# Altium PCB MB988.PcbDoc (part 1 of 4) (continued)
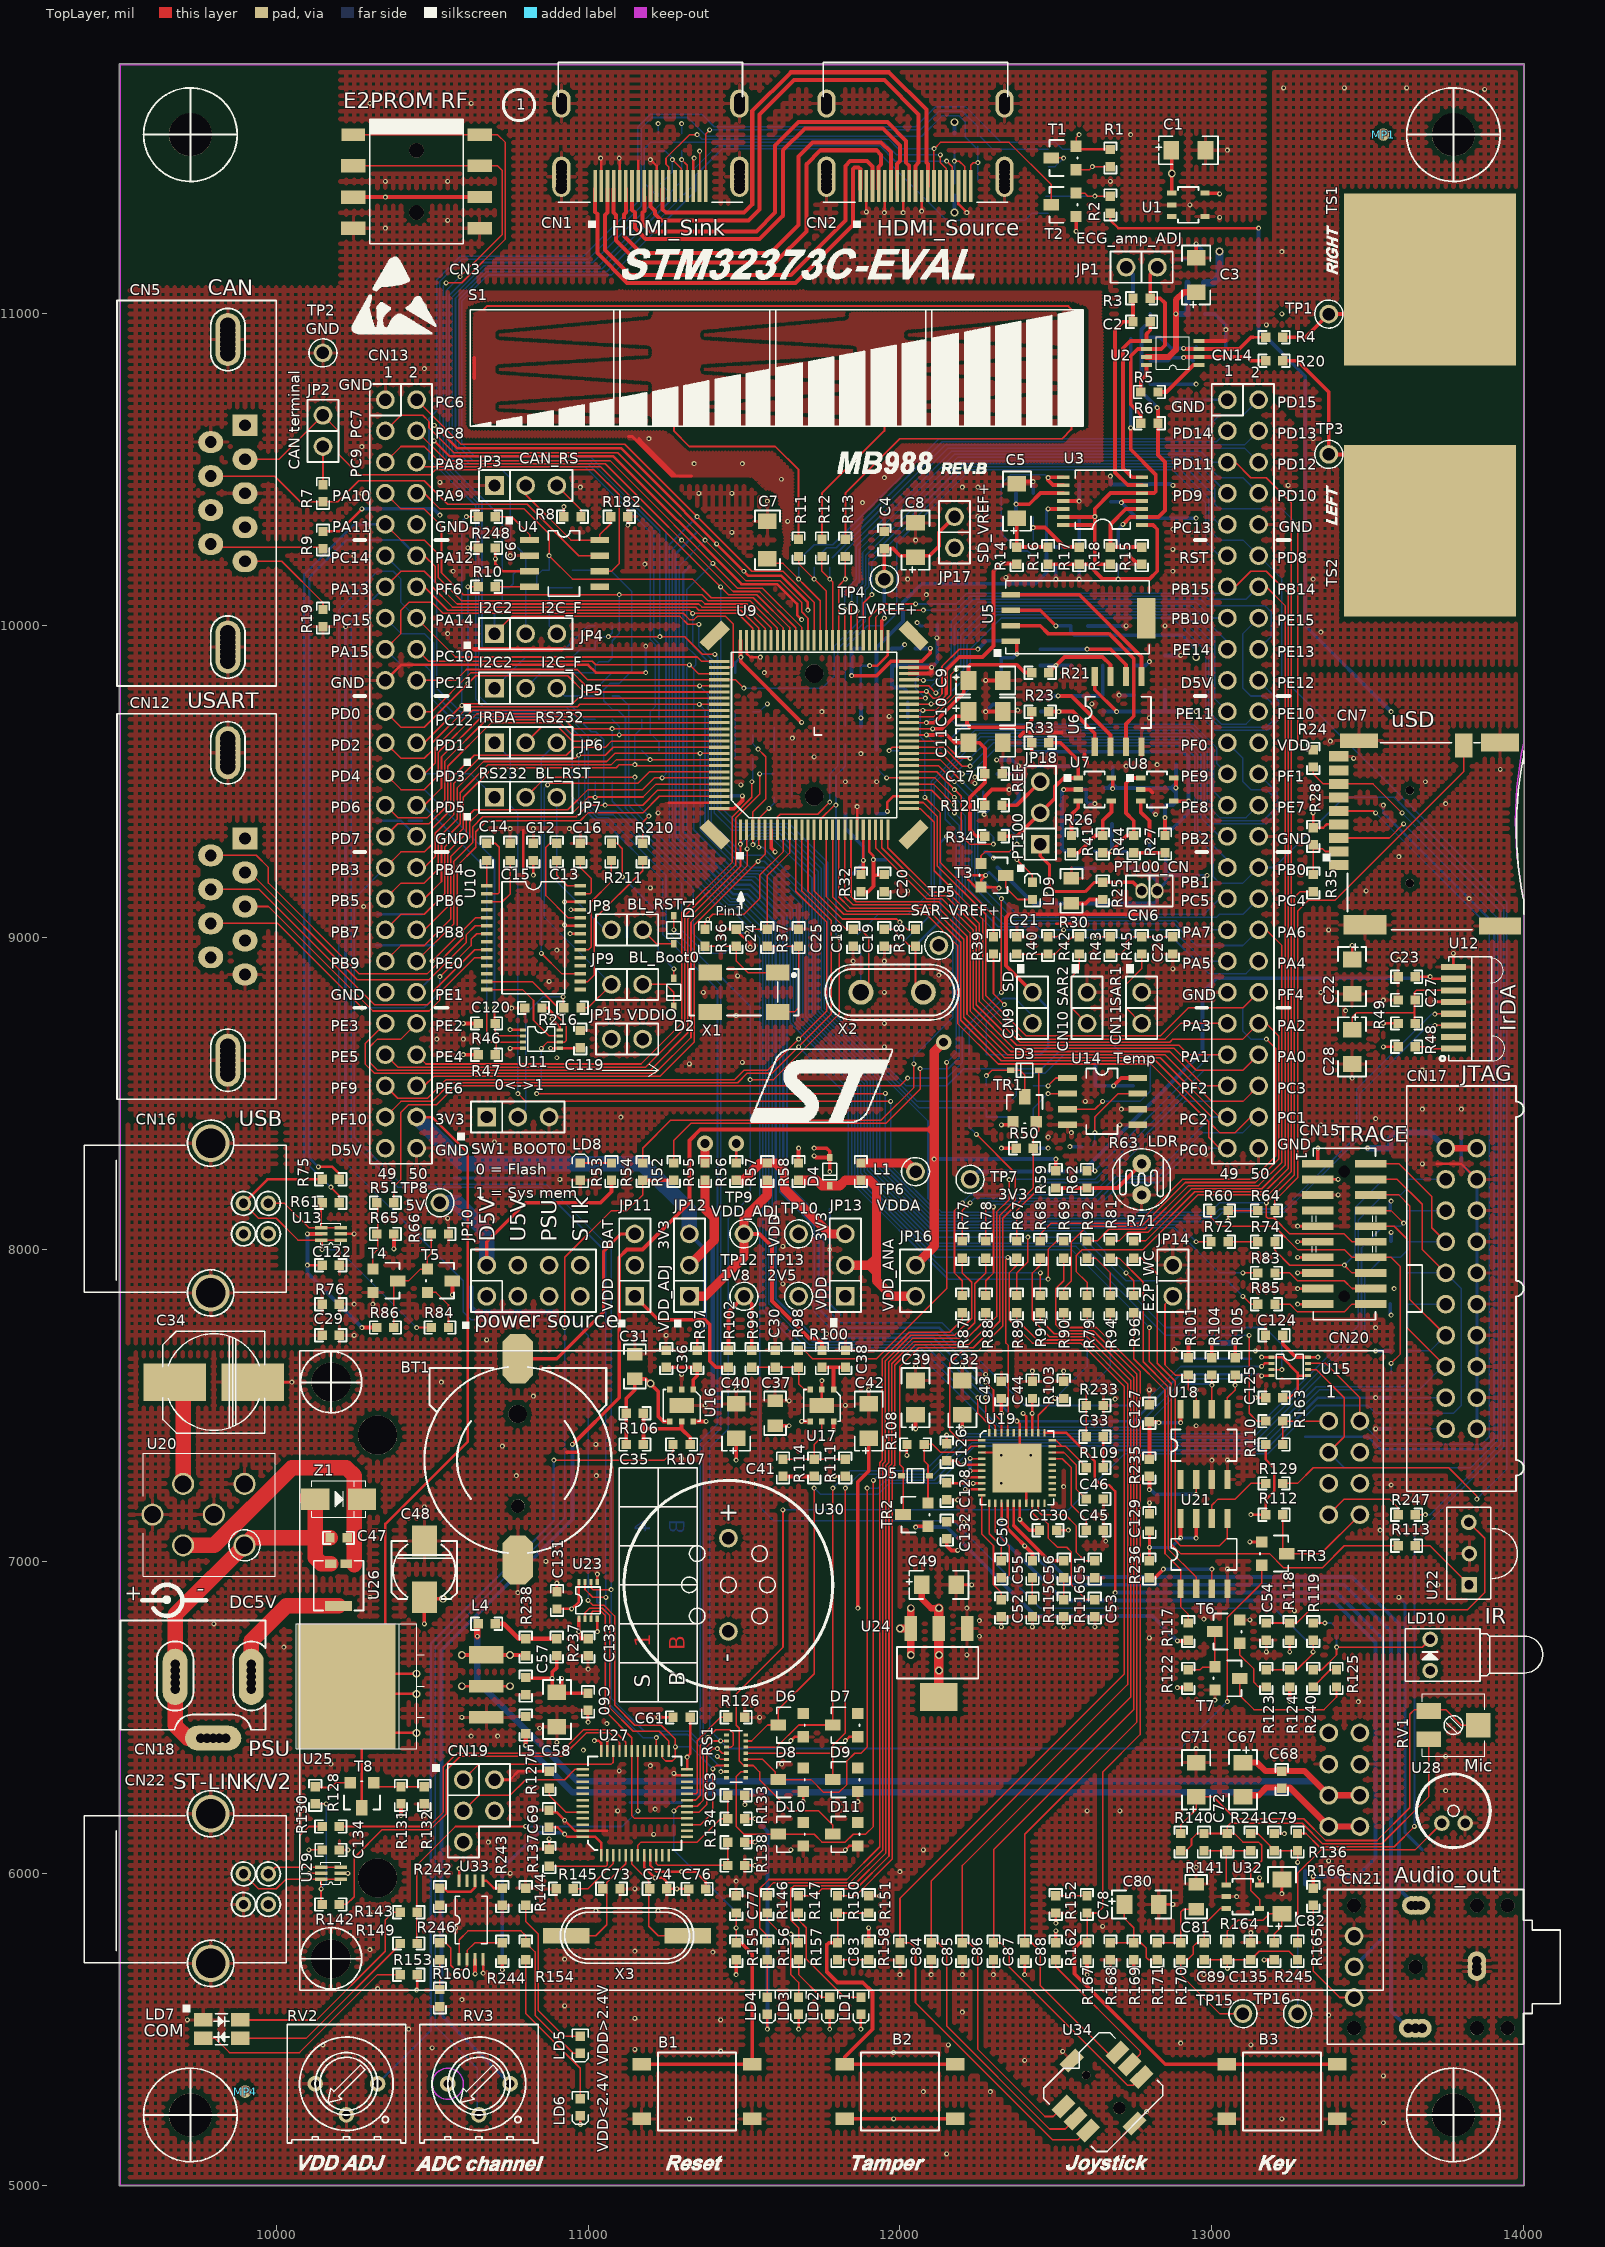
[diagram p0: TopLayer view]
## Components (designator, comment, footprint, x,y, rotation, side; value= is the part's Value field where it differs from the comment) (continued)
R62 "0" 0603R#1 12600,8225 r270 top
R63 "VT9ON1" PVT901 12775,8225 r180 top
R64 "0" 0603R#1 13175,8125 r0 top
R65 "47K" 0603R#1 10350,8050 r180 top
R66 "36K" 0603R#1 10525,8050 r180 top
R67 "0" 0603R#1 12375,8000 r270 top
R68 "0" 0603R#1 12450,8000 r270 top
R69 "0" 0603R#1 12525,8000 r270 top
R70 "[N/A]" 0603R#1 11875,9900 r90 bottom
R71 "0" 0603R#1 12750,8000 r270 top
R72 "0" 0603R#1 13025,8025 r0 top
R73 "0" 0603R#1 11625,9450 r0 bottom
R74 "0" 0603R#1 13175,8025 r0 top
R75 "0" 0603R#1 10175,8225 r0 top
R76 "1M" 0603R#1 10175,7825 r0 top
R77 "0" 0603R#1 12200,8000 r90 top
R78 "0" 0603R#1 12275,8000 r90 top
R79 "0" 0603R#1 12600,7825 r270 top
R80 "0" 0603R#1 11875,9775 r270 bottom
R81 "0" 0603R#1 12675,8000 r270 top
R82 "0" 0603R#1 11625,9600 r0 bottom
R83 "0" 0603R#1 13175,7925 r0 top
R84 "1K5" 0603R#1 10525,7750 r0 top
R85 "0" 0603R#1 13175,7825 r0 top
R86 "10K" 0603R#1 10350,7750 r180 top
R87 "0" 0603R#1 12200,7825 r90 top
R88 "0" 0603R#1 12275,7825 r90 top
R89 "0" 0603R#1 12375,7825 r270 top
R90 "0" 0603R#1 12525,7825 r270 top
R91 "0" 0603R#1 12450,7825 r270 top
R92 "0" 0603R#1 12600,8000 r90 top
R93 "[N/A]" 0603R#1 11500,9575 r180 bottom
R94 "0" 0603R#1 12675,7825 r270 top
R95 "[N/A]" 0603R#1 11625,9525 r0 bottom
R96 "0" 0603R#1 12750,7825 r270 top
R97 "4K7" 0603R#1 11350,7650 r270 top
R98 "[N/A]" 0603R#1 11675,7650 r90 top
R99 "10K" 0603R#1 11525,7650 r270 top
R100 "1K" 0603R#1 11750,7650 r270 top
R101 "10K" 0603R#1 12925,7625 r90 top
R102 "[N/A]" 0603R#1 11450,7650 r270 top
R103 "10K" 0603R#1 12525,7550 r90 top
R104 "1K8" 0603R#1 13000,7625 r270 top
R105 "1K8" 0603R#1 13075,7625 r270 top
R106 "59K[1%]" 0603R#1 11150,7475 r180 top
R107 "31.6K[1%]" 0603R#1 11300,7375 r0 top
R108 "4K7" 0603R#1 12050,7375 r0 top
R109 "100" 0603R#1 12625,7300 r0 top
R110 "10K" 0603R#1 13200,7375 r0 top
R111 "31.6K[1%]" 0603R#1 11825,7300 r90 top
R112 "4K7" 0603R#1 13200,7150 r0 top
R113 "0" 0603R#1 13625,7050 r180 top
R114 "15K[1%]" 0603R#1 11725,7300 r270 top
R115 "51" 0603R#1 12425,6850 r270 top
R116 "51" 0603R#1 12525,6850 r270 top
R117 "10K" 0603R#1 12925,6775 r270 top
R118 "100" 0603R#1 13250,6775 r90 top
R119 "100" 0603R#1 13325,6775 r90 top
R120 "1K" 0603R#1 12475,11500 r90 bottom
R121 "100[0.1%]" 0603R#1 12300,9425 r0 top
R122 "2K2" 0603R#1 12925,6625 r90 top
R123 "1K" 0603R#1 13175,6625 r90 top
R124 "10K" 0603R#1 13250,6625 r270 top
R125 "22" 0603R#1 13400,6625 r270 top
R126 "100K" 0603R#1 11475,6500 r180 top
R127 "100K" 0603R#1 10875,6300 r90 top
R128 "1K5" 0603R#1 10125,6250 r90 top
R129 "0" 0603R#1 13200,7250 r180 top
R130 "0" 0603R#1 10175,6150 r0 top
R131 "10K" 0603R#1 10400,6250 r270 top
R132 "36K" 0603R#1 10475,6250 r90 top
R133 "100K" 0603R#1 11475,6175 r180 top
R134 "4K7" 0603R#1 11475,6100 r0 top
R135 "0" 0603R#1 11050,9700 r0 bottom
R136 "220" 0603R#1 13275,6100 r90 top
R137 "10K" 0603R#1 10875,6050 r90 top
R138 "4K7" 0603R#1 11475,6025 r180 top
R139 "0" 0603R#1 11200,9600 r0 bottom
R140 "680" 0603R#1 12900,6100 r270 top
R141 "82K" 0603R#1 12975,6100 r270 top
R142 "0" 0603R#1 10175,5900 r0 top
R143 "100" 0603R#1 10425,5875 r0 top
R144 "510" 0603R#1 10800,5925 r270 top
R145 "[N/A]" 0603R#1 10925,5950 r180 top
R146 "680" 0603R#1 11575,5900 r90 top
R147 "510" 0603R#1 11675,5900 r90 top
R148 "0" 0603R#1 11200,9700 r0 bottom
R149 "100" 0603R#1 10425,5775 r0 top
R150 "330" 0603R#1 11800,5900 r270 top
R151 "220K" 0603R#1 11900,5900 r270 top
R152 "100" 0603R#1 12500,5900 r270 top
R153 "0" 0603R#1 10425,5675 r180 top
R154 "510" 0603R#1 10800,5750 r270 top
R155 "[N/A]" 0603R#1 11475,5750 r90 top
R156 "680" 0603R#1 11575,5750 r90 top
R157 "680" 0603R#1 11675,5750 r90 top
R158 "100" 0603R#1 11900,5750 r90 top
R159 "0" 0603R#1 12475,11350 r90 bottom
R160 "0" 0603R#3 10525,5600 r270 top
R162 "100" 0603R#1 12500,5750 r90 top
R163 "0" 0603R#1 13200,7450 r0 top
R164 "2K2" 0603R#1 13050,5750 r270 top
R165 "100" 0603R#1 13275,5750 r270 top
R166 "47K" 0603R#1 13325,5925 r90 top
R167 "4K7" 0603R#1 12600,5750 r90 top
R168 "100K" 0603R#1 12675,5750 r90 top
R169 "100K" 0603R#1 12750,5750 r270 top
R170 "18K" 0603R#1 12900,5750 r90 top
R171 "15K" 0603R#1 12825,5750 r270 top
R172 "47K" 0603R#1 11300,11550 r270 bottom
R173 "47K" 0603R#1 11225,11550 r270 bottom
R174 "0" 0603R#1 12175,11550 r90 bottom
R175 "1M" 0603R#1 12250,11400 r270 bottom
R176 "4K7" 0603R#1 12675,11500 r90 bottom
R177 "2M[1%]" 0603R#1 12775,10925 r180 bottom
R178 "2M[1%]" 0603R#1 12775,10850 r180 bottom
R179 "3K3" 0603R#1 12775,11000 r0 bottom
R180 "4K7" 0603R#1 12775,10775 r180 bottom
R181 "15K" 0603R#1 12400,10350 r180 bottom
R182 "10K" 0603R#1 11100,10350 r180 top
R183 "[N/A]" 0603R#1 12400,10200 r180 bottom
R184 "100K" 0603R#1 12775,10225 r90 bottom
R185 "0" 0603R#1 10725,10150 r270 bottom
R186 "[N/A]" 0603R#1 10875,10150 r90 bottom
R187 "0" 0603R#1 11050,9775 r0 bottom
R188 "4K7" 0603R#1 12500,10225 r270 bottom
R189 "[N/A]" 0603R#1 10800,10150 r270 bottom
R190 "0" 0603R#1 11050,10000 r0 bottom
R191 "[N/A]" 0603R#1 11050,9850 r180 bottom
R192 "[N/A]" 0603R#1 11050,9925 r0 bottom
R193 "22K[1%]" 0603R#1 12550,9900 r90 bottom
R194 "1K[1%]" 0603R#1 12650,9900 r90 bottom
R195 "0" 0603R#1 10950,10150 r90 bottom
R196 "0" 0603R#1 12325,9925 r90 bottom
R197 "47" 0603R#1 12325,9775 r270 bottom
R198 "220K[1%]" 0603R#1 12750,9900 r90 bottom
R199 "0" 0603R#1 11050,9600 r0 bottom
R200 "22K[1%]" 0603R#1 12550,9750 r90 bottom
R201 "0" 0603R#1 11925,9575 r270 bottom
R203 "820" 0603R#1 11825,9650 r90 bottom
R204 "1K8[0.1%]" 0603R#1 12825,9350 r180 bottom
R205 "220K[1%]" 0603R#1 12650,9750 r270 bottom
R206 "510" 0603R#1 12300,9275 r180 bottom
R207 "1K8[0.1%]" 0603R#1 12550,9250 r270 bottom
R208 "1K8[0.1%]" 0603R#1 12825,9275 r0 bottom
R209 "1K8[0.1%]" 0603R#1 12625,9250 r90 bottom
R210 "0" 0603R#1 11175,9275 r90 top
R211 "510" 0603R#1 11075,9275 r90 top
R212 "0" 0603R#1 12250,8625 r0 bottom
R213 "1K8" 0603R#1 12600,8625 r180 bottom
R214 "4K7" 0603R#1 12775,8525 r0 bottom
R215 "0" 0603R#1 12775,8625 r0 bottom
R216 "10K" 0603R#1 10950,8775 r0 top
R217 "0" 0603R#1 12250,8525 r180 bottom
R218 "0" 0603R#1 12400,8525 r180 bottom
R219 "10K" 0603R#1 12600,8425 r180 bottom
R220 "0" 0603R#1 12250,8425 r0 bottom
R221 "1K8" 0603R#1 12400,8325 r180 bottom
R222 "0" 0603R#1 12400,8425 r180 bottom
R223 "[N/A]" 0603R#1 13600,8225 r180 bottom
R224 "[N/A]" 0603R#1 13600,8325 r0 bottom
R225 "[N/A]" 0603R#1 13600,8125 r0 bottom
R226 "[N/A]" 0603R#1 13600,7925 r180 bottom
R227 "[N/A]" 0603R#1 13600,8025 r0 bottom
R228 "[N/A]" 0603R#1 13600,7825 r0 bottom
R229 "10K" 0603R#1 13600,7750 r180 bottom
R230 "[N/A]" 0603R#1 13600,7600 r180 bottom
R231 "[N/A]" 0603R#1 13600,7675 r0 bottom
R232 "10K" 0603R#1 13600,7525 r180 bottom
R233 "100K" 0603R#1 12625,7500 r180 top
R234 "10K" 0603R#1 13600,7425 r180 bottom
R235 "0" 0603R#1 12800,7300 r90 top
R236 "0" 0603R#1 12800,6975 r90 top
R237 "0" 0603R#1 10900,6725 r270 top
R238 "[N/A]" 0603R#1 10800,6725 r270 top
R240 "0" 0603R#1 13325,6625 r270 top
R241 "0" 0603R#1 13125,6100 r90 top
R242 "0" 0603R#1 10525,5925 r90 top
R243 "0" 0603R#1 10725,5925 r90 top
R244 "1K[1%]" 0603R#1 10725,5750 r90 top
R245 "1K" 0603R#1 13200,5750 r90 top
R246 "2.67K[1%]" 0603R#1 10525,5750 r270 top
R247 "0" 0603R#1 13625,7150 r180 top
R248 "0" 0603R#3 10675,10350 r0 top
R249 "0" 0603R#3 11050,9500 r0 bottom
RS1 "22" RES8B_0402 11475,6375 r270 top
RV1 "[N/A]" 3314-J 13775,6475 r180 top
RV2 "3386P-503H[5%]" 3296W 10225,5325 r180 top
RV3 "10K" 3296W 10650,5325 r180 top
S1 "Slider 3 pos" SLIDER3-2(50) 10622.5,10640 r0 top
SB1 "" JP2_SMD 11225,11400 r270 bottom
SB2 "" JP2_SMD 11300,11400 r270 bottom
SB3 "" JP2_SMD 12175,11400 r90 bottom
SB4 "" JP2_SMD 12250,11550 r270 bottom
SB5 "" JP2_SMD 12950,11175 r0 bottom
SB6 "" JP2_SMD 13050,10850 r90 bottom
SB7 "" JP2_SMD 12950,10725 r180 bottom
SB8 "" JP2_SMD 11675,10200 r270 bottom
SB9 "" JP2_SMD 11725,10200 r270 bottom
SB10 "" JP2_SMD 11775,10200 r270 bottom
SB11 "" JP2_SMD 11825,10200 r270 bottom
SB12 "" JP2_SMD 12100,10000 r0 bottom
SB13 "" JP2_SMD 12150,9750 r180 bottom
SB14 "" JP2_SMD 12150,9800 r180 bottom
SB15 "" JP2_SMD 12025,9775 r90 bottom
SB16 "" JP2_SMD 12150,9650 r0 bottom
SB17 "" JP2_SMD 12150,9700 r0 bottom
SB18 "" JP2_SMD 12150,9600 r180 bottom
SB19 "" JP2_SMD 12300,9525 r0 bottom
SB20 "" JP2_SMD 12300,9225 r0 bottom
SB21 "" JP2_SMD 12925,9200 r180 bottom
SB22 "" JP2_SMD 12300,9425 r0 bottom
SB23 "" JP2_SMD 11850,9000 r90 bottom
SB24 "" JP2_SMD 12000,9000 r270 bottom
SB25 "" JP2_SMD 11375,9000 r270 bottom
SB26 "" JP2_SMD 11475,9000 r270 bottom
SB27 "" JP2_SMD 12600,8325 r180 bottom
SB28 "" JP2_SMD 13400,6775 r270 bottom
SW1 "09.03290.01" SIP3#1 10675,8425 r0 top
T1 "9012" SOT-23#2 12525,11500 r0 top
T2 "2N7002" SOT-23#1 12525,11350 r0 top
T3 "9013" SOT-23#1 12300,9200 r180 top
T4 "9013" SOT-23#1 10350,7900 r180 top
T5 "9013" SOT-23#1 10525,7900 r180 top
T6 "9013" SOT-23#1 13050,6775 r0 top
T7 "9013" SOT-23#1 13050,6625 r180 top
T8 "9013" SOT-23#1 10275,6250 r90 top
TP1 "RIGHT" TP#1 13375,11000 r180 top
TP2 "Ground" TP#2 10150,10875 r0 top
TP3 "LEFT" TP#1 13375,10550 r180 top
TP4 "SD_VREF" TP#2 11950,10150 r0 top
TP5 "SAR_VREF" TP#2 12125,8975 r0 top
TP6 "VDDA" TP#2 12050,8250 r0 top
TP7 "+3V3" TP#2 12225,8225 r0 top
TP8 "5V" TP#2 10525,8150 r0 top
TP9 "VDD_ADJ" TP#2 11500,8050 r0 top
TP10 "VDD" TP#2 11675,8050 r0 top
TP12 "+1V8" TP#2 11500,7850 r0 top
TP13 "2V5" TP#2 11675,7850 r0 top
TP15 "MIC+" TP#2 13100,5550 r0 top
TP16 "MIC_OUT" TP#2 13275,5550 r90 top
TR1 "FDN327N" SOT-23#1 12400,8450 r270 top
TR2 "FDN327N" SOT-23#1 12050,7150 r0 top
TR3 "BSN20" SOT-23#1 13200,7025 r180 top
TS1 "TS_PAD" TS_PAD#1 13700,11350 r90 top
TS2 "TS_PAD" TS_PAD#2 13700,10100 r90 top
U1 "STMPS2141STR@54" SOT-23-5L 12925,11350 r0 top
U2 "INA333" MSOP8 12875,10875 r90 top
U3 "TSV624AIPT" TSSOP14 12650,10400 r90 top
U4 "SN65HVD230" SO8 10925,10200 r270 top
U5 "MPX2102" MPAK 12575,10025 r180 top
U6 "TVS632AIDT" SO8 12700,9725 r0 top
U7 "TSV631AILT" SOT-23-5L 12625,9475 r0 top
U8 "TSV631AILT" SOT-23-5L 12825,9475 r0 top
U9 "Goldfish_256K_TQFP100" IC149-100-025-B5 11725,9650 r0 top locked
U10 "ST3241EBPR" SSOP28 10825,9000 r0 top
U11 "SN74LVC2T45DCUT" VSSOP8 10850,8675 r0 top
U12 "TFDU6300" IR_VISHAY3 13775,8775 r270 top
U13 "USBLC6-2P6 (optional)" SOT-666 10175,8050 r90 top
U14 "STLM75M2E" SO8 12650,8475 r270 top
U15 "SN74LVC2T45DCUT" VSSOP8 13250,7625 r0 top
U16 "ST1L05BPUR" DFN6(3X3) 11300,7500 r180 top
U17 "ST1L05BPUR" DFN6(3X3) 11750,7500 r180 top
U18 "M24M01-HRMN6T" SO8 12975,7375 r0 top
U19 "CS43L22" QFN40(6*6) 12375,7300 r0 top
U20 "BNX002-01" BNX001 9800,7150 r180 top
U21 "M95M01-RMN6TP" SO8 12975,7025 r0 top
U22 "TSOP34836" TSOP348 13825,6925 r90 top
U23 "SN74LVC2T45DCUT" VSSOP8 11000,6875 r90 top
U24 "LD1117S25TR" SOT-223 12125,6675 r90 top
U25 "LD1086D2M33" D2PAK/A 10225,6600 r180 top
U26 "ZEN056V130A24LS" polyzen 10200,6925 r270 top
U27 "STM32F103C8T6" LQFP48 11150,6225 r0 top
U28 "KECG2740TBL" KEC2740 13775,6200 r90 top
U29 "USBLC6-2P6 (optional)" SOT-666 10175,6000 r90 top
U30 "KSS-1508 or KSSG1708" KS1708 11450,6925 r270 top
U32 "TS461CLT" SOT-23-5L 13100,5925 r0 top
U33 "TS3702IPT" TSSOP8(6.4) 10625,5850 r0 top
U34 "MT008-A" JOY 12650,5300 r315 top
X1 "MC306-G-06Q-32.768 (manufacturer KDS)" SM8 11500,8825 r180 top
X2 "ESA8.00000F20D25F(with socket)" XTAL_socket 11975,8825 r0 top
X3 "8MHz" SMT_XTAL 11125,5800 r180 top
Z1 "SMAJ5.0A-TR" 1R1C 10200,7200 r180 top

## Footprints (in the part's own frame and the unit in brackets; to place one, negate y for a bottom-side part, rotate by r counter-clockwise, add the part's x,y. Pads: shape width x height; smd on the part's side, far side on the other; paste and mask are expansions set on the pad)
1R1C [mm]
  rect 2.3x1.75 smd mask+0.102: 1(1.9,0) 2(-1.9,0)
  silkscreen extent -2.2,-1.5 2.2,1.5
2*3P [mil]
  round 60 hole 40 mask+4: 1(0,0) 2(100,0) 3(0,-100) 4(100,-100) 5(0,-200)
  silkscreen extent -50,-250 150,50
2*4P [mil]
  round 60 hole 40 mask+4: 1(0,0) 2(100,0) 3(0,-100) 4(100,-100) 5(0,-200) 6(100,-200) 7(0,-300) 8(100,-300)
  silkscreen extent -50,-350 150,50
2*25P [mil]
  round 60 hole 40 mask+4: 1(0,0) 2(100,0) 3(0,-100) 4(100,-100) 5(0,-200) 6(100,-200) 7(0,-300) 8(100,-300) 9(0,-400) 10(100,-400) 11(0,-500) 12(100,-500) 13(0,-600) 14(100,-600) 15(0,-700) 16(100,-700) 17(0,-800) 18(100,-800) 19(0,-900) 20(100,-900) 21(0,-1000) 22(100,-1000) 23(0,-1100) 24(100,-1100) 25(0,-1200) 26(100,-1200) 27(0,-1300) 28(100,-1300) 29(0,-1400) 30(100,-1400) 31(0,-1500) 32(100,-1500) 33(0,-1600) 34(100,-1600) 35(0,-1700) 36(100,-1700) 37(0,-1800) 38(100,-1800) 39(0,-1900) 40(100,-1900) 41(0,-2000) 42(100,-2000) 43(0,-2100) 44(100,-2100) 45(0,-2200) 46(100,-2200) 47(0,-2300) 48(100,-2300) 49(0,-2400) 50(100,-2400)
  silkscreen extent -50,-2450 150,50
0603C#1 [mil]
  rect 30x30 smd mask+4: 1(27.56,0.28) 2(-27.44,0.28)
  silkscreen extent -50,-20 50,20
0603C#2 [mil]
  rect 30x30 smd mask+4: 1(27.5,0) 2(-27.5,0)
  silkscreen extent -50,-20 50,20
0603C#3 [mil]
  rect 30x30 smd: 1(27.5,0) 2(-27.5,0)
  silkscreen extent -50,-20 50,20
0603D [mil]
  rect 30x30 smd mask+4: 1(27.5,0) 2(-27.5,0)
  silkscreen extent -50,-25 55,25
0603L [mil]
  rect 30x30 smd mask+4: 1(27.5,0) 2(-27.5,0)
  silkscreen extent -50,-20 50,20
0603R#1 [mil]
  rect 30x30 smd mask+4: 1(27.5,0) 2(-27.5,0)
  silkscreen extent -50,-20 50,20
0603R#2 [mil]
  rect 30x30 smd mask+4: 1(27.56,0.28) 2(-27.44,0.28)
  silkscreen extent -50,-20 50,20
0603R#3 [mil]
  rect 30x30 smd: 1(27.5,0) 2(-27.5,0)
  silkscreen extent -50,-20 50,20
0805C#1 [mil]
  rect 40x50 smd mask+4: 1(40,0) 2(-40,0)
  silkscreen extent -70,-35 70,35
0805C#2 [mil]
  rect 40x50 smd: 1(40,0) 2(-40,0)
  silkscreen extent -70,-35 70,35
0805R [mil]
  rect 40x50 smd mask+4: 1(40,0) 2(-40,0)
  silkscreen extent -70,-35 70,35
1206C [mil]
  rect 50x60 smd mask+4: 1(60,0) 2(-60,0)
  silkscreen extent -95,-40 95,40
3296W [mil]
  round 50 hole 28 mask+4: 1(-100,0) 2(0,100) 3(100,0)
  silkscreen extent -190,-190 190,190
3314-J [mm]
  rect 2x1.3 smd mask+0.102: 1(2,1.15) 3(2,-1.15)
  rect 2x2 smd mask+0.102: 2(-2,0)
  silkscreen extent -2.54,-2.54 2.54,2.54
0471510051 [mm]
  round 0.9 hole 0.9 mask+0.102: 0(-7.25,-1.674) 0(-7.25,-1.446) 0(-7.25,-1.141) 0(-7.25,-0.379) 0(-7.25,-0.1) 0(-7.25,0.205) 0(-7.25,-7.137) 0(-7.25,-6.909) 0(-7.25,-6.502) 0(-7.25,-6.299) 0(7.25,-7.137) 0(7.25,-6.909) 0(7.25,-6.502) 0(7.25,-6.299) 0(7.25,-1.676) 0(7.25,-1.448) 0(7.25,-1.143) 0(7.25,-0.381) 0(7.25,-0.102) 0(7.264,0.203)
  oval 1.5x2.3 hole 0.9 mask+0.102: 0(-7.25,-6.72) 0(7.25,-6.72)
  oval 1.5x3.3 hole 0.9 mask+0.102: 0(-7.25,-0.76) 0(7.25,-0.762)
  rect 0.3x2.6 smd mask+0.102: 1(4.5,0) 2(4,0) 3(3.5,0) 4(3,0) 5(2.5,0) 6(2,0) 7(1.5,0) 8(1,0) 9(0.5,0) 10(0,0) 11(-0.5,0) 12(-1,0) 13(-1.5,0) 14(-2,0) 15(-2.5,0) 16(-3,0) 17(-3.5,0) 18(-4,0) 19(-4.5,0)
  silkscreen extent -7.5,-10.1 7.5,1.3
BNX001 [mm]
  round 1.8 hole 1.4 mask+0.102: 1(2.5,2.5) 2(-2.5,2.5) 3(2.5,-2.5) 4(0,0) 5(5,0) 6(-2.5,-2.5)
  silkscreen extent -5,-5 5.76,5
C200M [mil]
  rect 100x80 smd mask-19.68: 1(90,0) 2(-90,0)
  silkscreen extent -90,-105 95,105
C310M [mil]
  rect 200x120 smd mask-23.62: 1(125,0) 2(-125,0)
  silkscreen extent -163,-163 163,163
D0.1L [mil]
  round 50 hole 30 mask+4: 1(-50,0) 2(50,0)
  silkscreen extent -84,-361 84,79
D2PAK/A [mm]
  rect 2.8x1 smd mask+0.102: 1(-11.4,2.54) 2(-11.4,0)
  rect 8x10.2 smd mask+0.102: 2(0,0)
  rect 2.8x1.42 smd mask+0.102: 3(-11.4,-2.54)
  silkscreen extent -6.35,-5.08 4.06,5.08
DB9/M [mil]
  round 50 hole 50 mask+4: 0(-538,55) 0(-523,55) 0(-508,55) 0(-493,55) 0(-478,55) 0(-463,55) 0(-448,55) 0(448,55) 0(463,55) 0(478,55) 0(493,55) 0(508,55) 0(523,55) 0(538,55)
  oval 170x80 hole 50 mask+4: 0(-493,55) 0(493,55)
  rect 70x80 hole 38 mask+4: 1(218,0)
  oval 70x80 hole 38 mask+4: 2(109,0) 3(0,0) 4(-109,0) 5(-218,0) 6(164,110) 7(55,110) 8(-54,110) 9(-163,110)
  silkscreen extent -618,-100 618,410
DC10B [mil]
  round 45 hole 30 mask+4: 1(244.09,-40) 1(244.09,-20) 1(244.09,20) 1(244.09,40) 2(82.05,-196.85) 2(102.05,-196.85) 2(142.05,-196.85) 2(162.05,-196.85) 3(0,-40) 3(0,-20) 3(0,20) 3(0,40)
  oval 80x180 hole 30 mask+4: 1(244.09,0) 3(0,0)
  oval 180x80 hole 30 mask+4: 2(122.05,-196.85)
  silkscreen extent -175,-170 290,180
DFN6(3X3) [mm]
  rect 2x1.2 smd mask+0.102: 0(0,0)
  rect 0.45x0.5 smd mask+0.102: 1(-0.95,-1.3) 2(0,-1.3) 3(0.95,-1.3) 4(0.95,1.3) 5(0,1.3) 6(-0.95,1.3)
  silkscreen extent -1.5,-1.3 1.5,1.3
FTSH-110-01-L-DV [mil]
  round 25 hole 38 unplated mask+4: 0(-200,0) 0(200,0)
  rect 25x100 smd mask+4: 1(-225,-85) 2(-225,85) 3(-175,-85) 4(-175,85) 5(-125,-85) 6(-125,85) 7(-75,-85) 8(-75,85) 9(-25,-85) 10(-25,85) 11(25,-85) 12(25,85) 13(75,-85) 14(75,85) 15(125,-85) 16(125,85) 17(175,-85) 18(175,85) 19(225,-85) 20(225,85)
  silkscreen extent -275,-102 275,102
IC149-100-025-B5 [mm]
  rect 1x2.5 smd rot 45 mask+0.102: 0(-8.1,-8.1) 0(8.1,8.1)
  rect 1x2.5 smd rot 135 mask+0.102: 0(-8.1,8.1) 0(8.1,-8.1)
  round 1.5 hole 1.5 unplated mask+0.102: 0(0,-5) 0(0,5)
  rect 0.25x1.65 smd mask+0.102: 1(-6,-7.725) 2(-5.5,-7.725) 3(-5,-7.725) 4(-4.5,-7.725) 5(-4,-7.725) 6(-3.5,-7.725) 7(-3,-7.725) 8(-2.5,-7.725) 9(-2,-7.725) 10(-1.5,-7.725) 11(-1,-7.725) 12(-0.5,-7.725) 13(0,-7.725) 14(0.5,-7.725) 15(1,-7.725) 16(1.5,-7.725) 17(2,-7.725) 18(2.5,-7.725) 19(3,-7.725) 20(3.5,-7.725) 21(4,-7.725) 22(4.5,-7.725) 23(5,-7.725) 24(5.5,-7.725) 25(6,-7.725) 51(6,7.725) 52(5.5,7.725) 53(5,7.725) 54(4.5,7.725) 55(4,7.725) 56(3.5,7.725) 57(3,7.725) 58(2.5,7.725) 59(2,7.725) 60(1.5,7.725) 61(1,7.725) 62(0.5,7.725) 63(0,7.725) 64(-0.5,7.725) 65(-1,7.725) 66(-1.5,7.725) 67(-2,7.725) 68(-2.5,7.725) 69(-3,7.725) 70(-3.5,7.725) 71(-4,7.725) 72(-4.5,7.725) 73(-5,7.725) 74(-5.5,7.725) 75(-6,7.725)
  rect 1.65x0.25 smd mask+0.102: 26(7.725,-6) 27(7.725,-5.5) 28(7.725,-5) 29(7.725,-4.5) 30(7.725,-4) 31(7.725,-3.5) 32(7.725,-3) 33(7.725,-2.5) 34(7.725,-2) 35(7.725,-1.5) 36(7.725,-1) 37(7.725,-0.5) 38(7.725,0) 39(7.725,0.5) 40(7.725,1) 41(7.725,1.5) 42(7.725,2) 43(7.725,2.5) 44(7.725,3) 45(7.725,3.5) 46(7.725,4) 47(7.725,4.5) 48(7.725,5) 49(7.725,5.5) 50(7.725,6) 76(-7.725,6) 77(-7.725,5.5) 78(-7.725,5) 79(-7.725,4.5) 80(-7.725,4) 81(-7.725,3.5) 82(-7.725,3) 83(-7.725,2.5) 84(-7.725,2) 85(-7.725,1.5) 86(-7.725,1) 87(-7.725,0.5) 88(-7.725,0) 89(-7.725,-0.5) 90(-7.725,-1) 91(-7.725,-1.5) 92(-7.725,-2) 93(-7.725,-2.5) 94(-7.725,-3) 95(-7.725,-3.5) 96(-7.725,-4) 97(-7.725,-4.5) 98(-7.725,-5) 99(-7.725,-5.5) 100(-7.725,-6)
  silkscreen extent -6.73,0 6.73,6.73
IDC20S [mil]
  round 60 hole 40 mask+4: 1(0,0) 2(100,0) 3(0,-100) 4(100,-100) 5(0,-200) 6(100,-200) 7(0,-300) 8(100,-300) 9(0,-400) 10(100,-400) 11(0,-500) 12(100,-500) 13(0,-600) 14(100,-600) 15(0,-700) 16(100,-700) 17(0,-800) 18(100,-800) 19(0,-900) 20(100,-900)
  silkscreen extent -125,-1100 250,200
IR_VISHAY3 [mm]
  rect 0.5x2 smd mask+0.102: 1(3.325,0) 2(2.375,0) 3(1.425,0) 4(0.475,0) 5(-0.475,0) 6(-1.425,0) 7(-2.375,0) 8(-3.325,0)
  silkscreen extent -4.18,-1.1 4.33,4.17
JOY [mil]
  rect 40x70 smd mask+4: 0(-140,0) 0(145,0) 1(-55.12,-122.05) 2(0,-122.05) 3(55.12,-122.05) 4(55.12,122.05) 5(0,122.05) 6(-55.12,122.05)
  round 27.56 hole 27.56 unplated mask+4: H(-74.8,0)
  round 39.37 hole 39.37 unplated mask+4: H(74.8,0)
  silkscreen extent -141,-150 146,150
JP2_SMD [mil]
  oct 15x30 smd rot 45 mask+4: 1(-18,-8) 2(18,7)
  oct 15.75x30 smd rot 135 mask+4: 1(-18,8)
  rect 26x26 smd rot 45 mask+4: 2(13,0)
  oct 15x30 smd rot 135 mask+4: 2(18,-7)
KEC2740 [mm]
  round 1.27 hole 0.762 mask+0.102: 1(-1,-0.95) 2(-1,0.95)
  silkscreen extent -3,-3 3,3
KS1708 [mil]
  round 60 hole 40 mask+4: 1(-149.61,0) 2(149.61,0)
  silkscreen extent -335,-334 335,335
LED2-28*32 [mm]
  rect 1.1x1.5 smd mask+0.102: 1(-0.75,-1.5) 2(-0.75,1.5) 3(0.75,1.5) 4(0.75,-1.5)
  silkscreen extent -1.27,-0.64 1.27,0.64
LI1220_1 [mm]
  round 1.1 hole 1.1 unplated mask+0.102: 0(-3.75,0)
  round 1.5 hole 1.5 unplated mask+0.102: 0(3.75,0.025)
  oct 4x2.5 smd mask+0.102: 1(8.255,0) 2(-8.128,0)
  silkscreen extent -7.57,-7.62 7.57,7.62
LQFP48 [mm]
  rect 0.2x1 smd mask+0.102: 1(-2.75,-4.25) 2(-2.25,-4.25) 3(-1.75,-4.25) 4(-1.25,-4.25) 5(-0.75,-4.25) 6(-0.25,-4.25) 7(0.25,-4.25) 8(0.75,-4.25) 9(1.25,-4.25) 10(1.75,-4.25) 11(2.25,-4.25) 12(2.75,-4.25) 25(2.75,4.25) 26(2.25,4.25) 27(1.75,4.25) 28(1.25,4.25) 29(0.75,4.25) 30(0.25,4.25) 31(-0.25,4.25) 32(-0.75,4.25) 33(-1.25,4.25) 34(-1.75,4.25) 35(-2.25,4.25) 36(-2.75,4.25)
  rect 1x0.2 smd mask+0.102: 13(4.25,-2.75) 14(4.25,-2.25) 15(4.25,-1.75) 16(4.25,-1.25) 17(4.25,-0.75) 18(4.25,-0.25) 19(4.25,0.25) 20(4.25,0.75) 21(4.25,1.25) 22(4.25,1.75) 23(4.25,2.25) 24(4.25,2.75) 37(-4.25,2.75) 38(-4.25,2.25) 39(-4.25,1.75) 40(-4.25,1.25) 41(-4.25,0.75) 42(-4.25,0.25) 43(-4.25,-0.25) 44(-4.25,-0.75) 45(-4.25,-1.25) 46(-4.25,-1.75) 47(-4.25,-2.25) 48(-4.25,-2.75)
  silkscreen extent -3.81,-3.81 3.81,3.81
markpoint_1.0#1 [mil]
  round 40 smd mask+4: 0(0.06,0.28)
markpoint_1.0#2 [mil]
  round 40 smd: 0(0,0)
MB989 [mil]
  round 125.98 hole 125.98 mask+4: 0(-3200,-1725) 0(-3050,-1465)
  round 125.98 hole 125.98 unplated mask+4: 0(-3198.94,125) 0(-3050,-45)
  round 60 hole 40 mask+4: 1(0,0) 2(100,0) 3(0,-100) 4(100,-100) 5(0,-200) 6(100,-200) 7(0,-300) 8(100,-300) 9(0,-1000) 10(100,-1000) 11(0,-1100) 12(100,-1100) 13(0,-1200) 14(100,-1200) 15(0,-1300) 16(100,-1300)
  silkscreen extent -3300,-1825 175,225
MPAK [mil]
  rect 60x18 smd mask+4: 1(220,75) 2(220,25) 3(220,-25) 4(220,-75)
  rect 60x130 smd mask+4: 5(-215,0)
  silkscreen extent -225,-120 235,115
MSD(PJS008) [mm]
  rect 1.4x3.429 smd mask+0.102: 0(-3.503,-7.357)
  rect 1.6x3.5 smd mask+0.102: 0(-3.4,3.65)
  rect 1.5x3.1 smd mask+0.102: 0(11.45,-7.35)
  rect 1.2x3.1 smd mask+0.102: 0(11.6,4.15)
  rect 0.8x1.6 smd mask+0.102: 1(1.475,5.8) 2(2.575,5.8) 3(3.675,5.8) 4(4.775,5.8) 5(5.875,5.8) 6(6.975,5.8) 7(8.075,5.8) 8(9.175,5.8)
  rect 0.85x1.6 smd mask+0.102: 9(10.325,5.8)
  rect 1.95x1.4 smd mask+0.102: 10(11.225,-4.4)
  round 0.7 hole 0.7 unplated mask+0.102: H(0,0) H(7.55,0)
  silkscreen extent -3.81,-9.28 11.43,5.07
MSOP8 [mm]
  rect 0.3x0.9 smd mask+0.102: 1(-0.975,-2.151) 2(-0.325,-2.151) 3(0.325,-2.151) 4(0.975,-2.151) 5(0.975,2.151) 6(0.325,2.151) 7(-0.325,2.151) 8(-0.975,2.151)
  silkscreen extent -1.32,-1.36 1.32,1.36
PB10 [mm]
  rect 1.5x1 smd paste+0.381 mask+0: 1(-4.5,-2.222) 2(-4.5,2.222) 3(4.5,2.222) 4(4.5,-2.222)
  silkscreen extent -3.17,-3.17 3.17,3.17
polyzen [mm]
  rect 0.8x2.21 smd mask+0.102: 1(1.714,0)
  rect 0.7x0.94 smd mask+0.102: 2(-1.714,-0.635) 3(-1.714,0.635)
  silkscreen extent -1.97,-2.03 2.1,2.03
PVT901 [mil]
  round 60 hole 30 mask+4: 1(0,50) 2(0,-50)
  silkscreen extent -92,-98 92,98
QFN40(6*6) [mm]
  rect 4x4 smd mask+0.102: 0(0,0)
  rect 0.6x0.2 smd mask+0.102: 1(-2.87,2.25) 2(-2.87,1.75) 3(-2.87,1.25) 4(-2.87,0.75) 5(-2.87,0.25) 6(-2.87,-0.25) 7(-2.87,-0.75) 8(-2.87,-1.25) 9(-2.87,-1.75) 10(-2.87,-2.25) 21(2.87,-2.25) 22(2.87,-1.75) 23(2.87,-1.25) 24(2.87,-0.75) 25(2.87,-0.25) 26(2.87,0.25) 27(2.87,0.75) 28(2.87,1.25) 29(2.87,1.75) 30(2.87,2.25)
  rect 0.2x0.6 smd mask+0.102: 11(-2.25,-2.87) 12(-1.75,-2.87) 13(-1.25,-2.87) 14(-0.75,-2.87) 15(-0.25,-2.87) 16(0.25,-2.87) 17(0.75,-2.87) 18(1.25,-2.87) 19(1.75,-2.87) 20(2.25,-2.87) 31(2.25,2.87) 32(1.75,2.87) 33(1.25,2.87) 34(0.75,2.87) 35(0.25,2.87) 36(-0.25,2.87) 37(-0.75,2.87) 38(-1.25,2.87) 39(-1.75,2.87) 40(-2.25,2.87)
  silkscreen extent -3,-3 3,3
RES8B_0402 [mil]
  rect 10x15 smd mask+4: 1(-68.9,-31) 2(-68.9,31) 3(-49.21,-31) 4(-49.21,31) 5(-29.53,-31) 6(-29.53,31) 7(-9.84,-31) 8(-9.84,31) 9(9.84,-31) 10(9.84,31) 11(29.53,-31) 12(29.53,31) 13(49.21,-31) 14(49.21,31) 15(68.9,-31) 16(68.9,31)
  silkscreen extent -83,-20 83,20
SIP2#1 [mil]
  oval 40x50 hole 30 mask+4: 1(0,0) 2(50,0)
  silkscreen extent -50,-50 100,50
SIP2#2 [mil]
  round 60 hole 40 mask+4: 1(0,0) 2(100,0)
  silkscreen extent -50,-50 150,50
SIP2#3 [mil]
  round 60 hole 40: 1(0,0) 2(100,0)
  silkscreen extent -50,-50 150,50
SIP3#1 [mil]
  rect 60x60 hole 40 mask+4: 1(0,0)
  round 60 hole 40 mask+4: 2(100,0) 3(200,0)
  silkscreen extent -50,-50 250,50
SIP3#2 [mil]
  rect 60x60 hole 40: 1(0,0)
  round 60 hole 40: 2(100,0) 3(200,0)
  silkscreen extent -50,-50 250,50
SLIDER3-2(50) [mil]
  silkscreen extent 0,0 1965,374
SM8 [mm]
  rect 1.9x1.3 smd mask+0.102: 1(-2.75,-1.6) 2(2.75,-1.6) 3(2.75,1.6) 4(-2.75,1.6)
  silkscreen extent -4.44,-1.91 4.44,1.91
SMT_XTAL [mil]
  rect 150x50 smd mask-11.81: 1(-195,0) 2(195,0)
  silkscreen extent -214,-89 214,89
SO8 [mil]
  rect 20x60 smd mask+4: 1(-75,-112.5) 2(-25,-112.5) 3(25,-112.5) 4(75,-112.5) 5(75,112.5) 6(25,112.5) 7(-25,112.5) 8(-75,112.5)
  silkscreen extent -105,-53 105,48
SOD-323 [mm]
  rect 0.6x0.45 smd mask+0.102: 1(1.143,0) 2(-1.143,0)
  silkscreen extent -0.67,-0.57 0.67,0.57
SOT-23#1 [mil]
  rect 36x36 smd mask+4: 1(40,37.5) 2(40,-37.5)
  rect 50x36 smd mask+4: 3(-40,0.5)
  silkscreen extent -45,-58 45,58
SOT-23#2 [mil]
  rect 36x36 smd: 1(40,37.5) 2(40,-37.5)
  rect 50x36 smd: 3(-40,0.5)
  silkscreen extent -45,-58 45,58
SOT-23-5L [mil]
  rect 30x16 smd mask+4: 1(-53.15,37.4) 2(-53.15,0) 3(-53.15,-37.4) 4(53.15,-37.4) 5(53.15,37.4)
  silkscreen extent -33,-58 32,57
SOT-223 [mil]
  rect 80x40 smd mask+4: 1(110,-90.55) 2(110,0) 3(110,90.55)
  rect 90x120 smd mask+4: 2(-110,0)
  silkscreen extent -50,-126 50,134
SOT-666 [mil]
  rect 11x40 smd mask+4: 1(-19.69,-31.3) 2(0,-31.3) 3(19.69,-31.3) 4(19.69,31.3) 5(0,31.3) 6(-19.69,31.3)
  silkscreen extent -35,-32 35,32
SSM-104-L-SH [mm]
  round 1.2 hole 1.2 unplated mask+0.102: 0(-2.54,0) 0(2.54,0)
  rect 1x2 smd mask+0.102: 1(-3.81,5.143) 2(-1.27,5.143) 3(1.27,5.143) 4(3.81,5.144)
  rect 1.016x1.905 smd mask+0.102: 1(-3.81,-5.144)
  rect 1.1x2 smd mask+0.102: 2(-1.27,-5.143) 3(1.27,-5.143) 4(3.81,-5.143)
  silkscreen extent -5.08,-3.81 5.08,3.81
SSOP28 [mm]
  rect 0.95x0.3 smd mask+0.102: 1(-3.8,4.225) 2(-3.8,3.575) 3(-3.8,2.925) 4(-3.8,2.275) 5(-3.8,1.625) 6(-3.8,0.975) 7(-3.8,0.325) 8(-3.8,-0.325) 9(-3.8,-0.975) 10(-3.8,-1.625) 11(-3.8,-2.275) 12(-3.8,-2.925) 13(-3.8,-3.575) 14(-3.8,-4.225) 15(3.8,-4.225) 16(3.8,-3.575) 17(3.8,-2.925) 18(3.8,-2.275) 19(3.8,-1.625) 20(3.8,-0.975) 21(3.8,-0.325) 22(3.8,0.325) 23(3.8,0.975) 24(3.8,1.625) 25(3.8,2.275) 26(3.8,2.925) 27(3.8,3.575) 28(3.8,4.225)
  silkscreen extent -2.56,-4.55 2.56,4.55
ST-212-02V [mil]
  round 45 hole 45 unplated mask+4: 0(-393.7,-196.85) 0(-393.7,196.85) 0(-196.85,0) 0(0,-196.85) 0(0,196.85) 0(98.43,-196.85) 0(98.43,196.85)
  round 60 hole 30 mask+4: 1(0,-15) 1(0,0) 1(0,20) 2(-210,196.85) 2(-196.85,196.85) 2(-180,196.85) 3(-220,-196.85) 3(-196.85,-196.85) 3(-175,-196.85)
  round 60 hole 40 mask+4: 4(-393.7,98.43) 5(-393.7,0) 6(-393.7,-98.43)
  silkscreen extent -480,-248 268,248
TAN-A [mil]
  rect 50x60 smd mask+4: 1(55,0) 2(-55,0)
  silkscreen extent -95,-45 105,45
TP#1 [mil]
  round 60 hole 40 mask+4: 1(0,0.28)
  silkscreen extent -45,-45 45,45
TP#2 [mil]
  round 60 hole 40 mask+4: 1(0,0)
  silkscreen extent -45,-45 45,45
TS_PAD#1 [mm]
  rect 14x14 smd paste-15.24 mask+0.254: 1(-6.096,0)
TS_PAD#2 [mm]
  rect 14x14 smd paste-15.24 mask+0.254: 1(5.204,0)
TSOP348 [mil]
  rect 50x50 hole 30 mask+4: 1(0,0)
  round 50 hole 30 mask+4: 2(100,-1) 3(200,1)
  silkscreen extent -47,-155 248,72
TSSOP8(6.4) [mm]
  rect 0.25x1 smd mask+0.102: 1(-0.975,-3.2) 2(-0.325,-3.2) 3(0.325,-3.2) 4(0.975,-3.2) 5(0.975,3.2) 6(0.325,3.2) 7(-0.325,3.2) 8(-0.975,3.2)
  silkscreen extent -1.3,-1.94 1.3,1.94
TSSOP14 [mm]
  rect 0.3x1 smd mask+0.102: 1(-1.95,-3.2) 2(-1.3,-3.2) 3(-0.65,-3.2) 4(0,-3.2) 5(0.65,-3.2) 6(1.3,-3.2) 7(1.95,-3.2) 8(1.95,3.2) 9(1.3,3.2) 10(0.65,3.2) 11(0,3.2) 12(-0.65,3.2) 13(-1.3,3.2) 14(-1.95,3.2)
  silkscreen extent -2.28,-2.26 2.49,2.22
USB-B [mil]
  round 120 hole 95 mask+4: 0(-291,-185) 0(189,-185)
  round 50 hole 30 mask+4: 1(0,0) 2(-98,0) 3(-98,-80) 4(0,-80)
  silkscreen extent -365,-591 263,57
VSSOP8 [mm]
  rect 0.5x0.25 smd mask+0.102: 1(-1.5,0.75) 2(-1.5,0.25) 3(-1.5,-0.25) 4(-1.5,-0.75) 5(1.5,-0.75) 6(1.5,-0.25) 7(1.5,0.25) 8(1.5,0.75)
  silkscreen extent -1.09,-1 1.09,1